# KiCad board LizardBot1_ControlBoard_v1.kicad_pcb (continued)
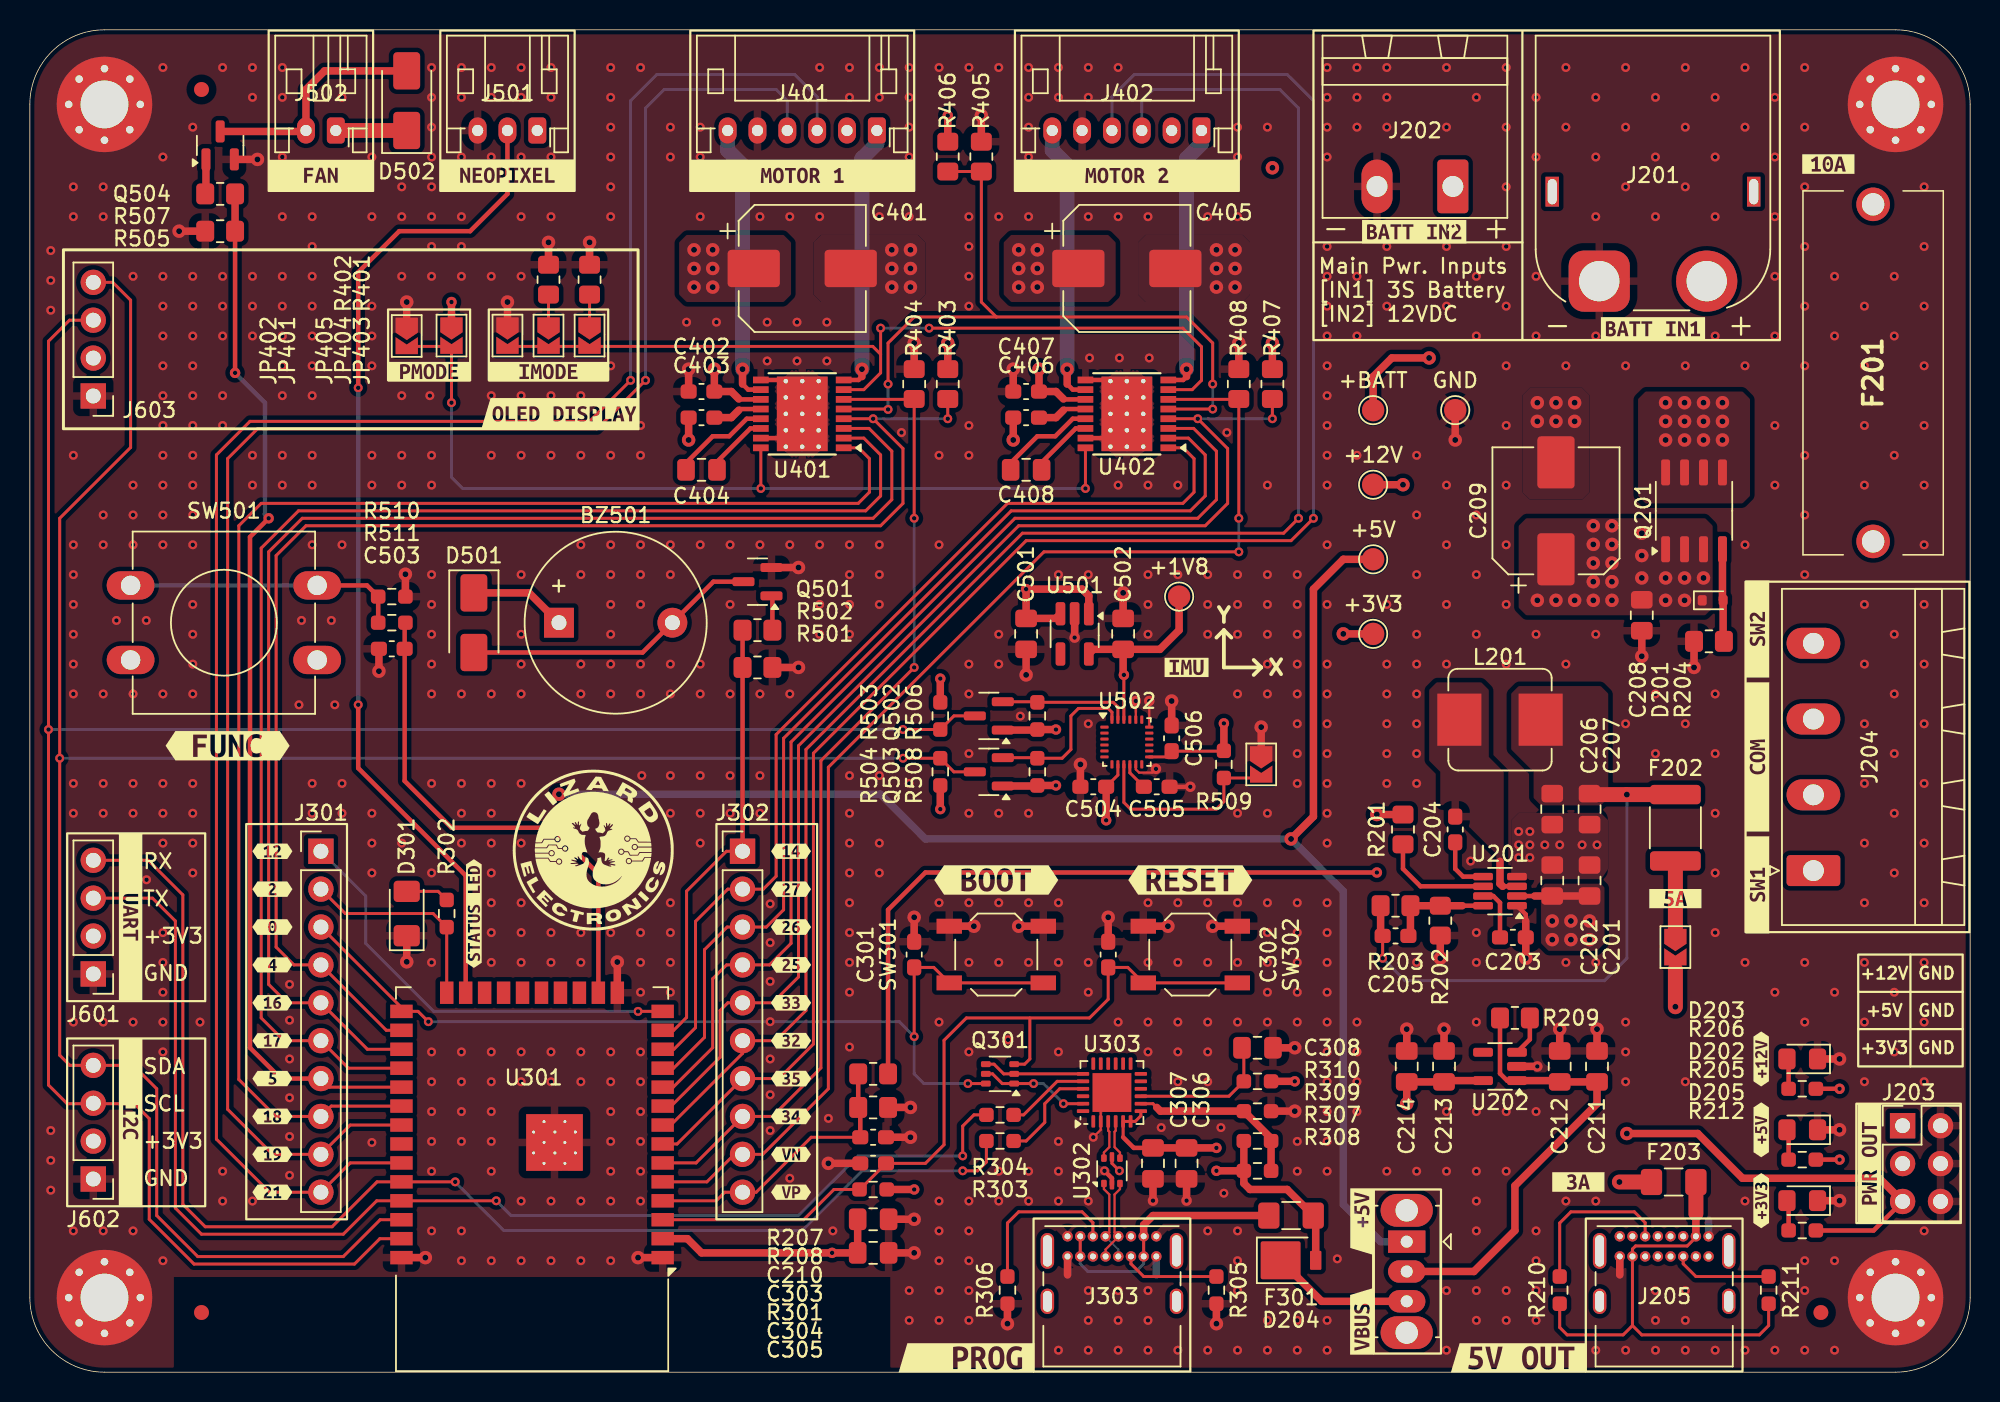
[diagram p0: board, top side]
## Library data of the parts (continued)
U501 = -: Datasheet: https://pt.mouser.com/datasheet/2/268/MIC5225_Ultra_Low_Quiescent_Current_150mA_MicroCap-3441824.pdf; Description: Ultra-Low Quiescent Current 150 mA µCap Low Dropout Regulator
U502 = -: Datasheet: http://www.invensense.com/wp-content/uploads/2016/06/DS-000189-ICM-20948-v1.3.pdf; Description: InvenSense 9-Axis Motion Sensor, Accelerometer, Gyroscope, Compass, I2C/SPI, QFN-24; ki_fp_filters: InvenSense?QFN*3x3mm*P0.4mm*

## Footprints (pads in the part's own frame, mm; a bottom-side part is the same pattern mirrored in y, then rotated)
AMASS_XT60PW-M_1x02_P7.20mm_Horizontal
  rect 0.9x2 hole 0.6x1.7: (-3.15,6) (10.35,6)
  rrect 4.1x4.1 hole 2.7: 1(0,0)
  round 4.1 hole 2.7: 2(7.2,0)
Buzzer_12x9.5RM7.6
  rect 2x2 hole 1: 1(0,0)
  round 2 hole 1: 2(7.6,0)
C_0603_1608Metric_Pad1.08x0.95mm_HandSolder
  rrect 1.075x0.95 smd: 1(-0.863,0) 2(0.863,0)
C_0805_2012Metric_Pad1.18x1.45mm_HandSolder
  rrect 1.175x1.45 smd: 1(-1.038,0) 2(1.038,0)
CP_Elec_8x10
  rrect 3.5x2.5 smd: 1(-3.25,0) 2(3.25,0)
D_SMA
  rrect 2.5x1.8 smd: 1(-2,0) 2(2,0)
D_SMP_DO-220AA
  rrect 2.67x2.54 smd: 1(-0.699,0)
  rrect 0.762x1.27 smd: 2(1.653,0)
D_SOD-523
  rrect 0.6x0.7 smd: 1(-0.7,0) 2(0.7,0)
ESP32-WROOM-32D
  rect 1.5x0.9 smd: 1(-8.75,8.25) 2(-8.75,6.98) 3(-8.75,5.71) 4(-8.75,4.44) 5(-8.75,3.17) 6(-8.75,1.9) 7(-8.75,0.63) 8(-8.75,-0.64) 9(-8.75,-1.91) 10(-8.75,-3.18) 11(-8.75,-4.45) 12(-8.75,-5.72) 13(-8.75,-6.99) 14(-8.75,-8.26) 25(8.75,-8.26) 26(8.75,-6.99) 27(8.75,-5.72) 28(8.75,-4.45) 29(8.75,-3.18) 30(8.75,-1.91) 31(8.75,-0.64) 32(8.75,0.63) 33(8.75,1.9) 34(8.75,3.17) 35(8.75,4.44) 36(8.75,5.71) 37(8.75,6.98) 38(8.75,8.25)
  rect 0.9x1.5 smd: 15(-5.71,-9.51) 16(-4.44,-9.51) 17(-3.17,-9.51) 18(-1.9,-9.51) 19(-0.63,-9.51) 20(0.64,-9.51) 21(1.91,-9.51) 22(3.18,-9.51) 23(4.45,-9.51) 24(5.72,-9.51)
  rect 0.9x0.9 smd: 39(-2.9,1.93) 39(-2.9,0.53) 39(-2.9,-0.87) 39(-1.5,1.93) 39(-1.5,0.53) 39(-1.5,-0.87) 39(-0.1,1.93) 39(-0.1,0.53) 39(-0.1,-0.87)
  round 0.6 hole 0.2: 39(-2.9,1.23) 39(-2.9,-0.17) 39(-2.2,1.93) 39(-2.2,0.53) 39(-2.2,-0.87) 39(-1.525,1.23) 39(-1.525,-0.17) 39(-0.8,1.93) 39(-0.8,0.53) 39(-0.8,-0.87) 39(-0.1,1.23) 39(-0.1,-0.17)
  rect 3.8x3.8 smd: 39(-1.5,0.53)
Fiducial_1mm_Mask2mm
  round 1 smd: (0,0)
Fuse_1206_3216Metric_Pad1.42x1.75mm_HandSolder
  rrect 1.425x1.75 smd: 1(-1.488,0) 2(1.488,0)
Fuse_1812_4532Metric_Pad1.30x3.40mm_HandSolder
  rrect 1.3x3.4 smd: 1(-2.225,0) 2(2.225,0)
Fuseholder_LittelFuse_5x20mm_0PTF0078P
  round 2.25 hole 1.5: 1(-11.3,0) 2(11.3,0)
HTSSOP-16-1EP_4.4x5mm_P0.65mm_EP3.4x5mm_Mask3x3mm_ThermalVias
  rect 0.25x0.8 smd: (-1.325,0.55) (-1.325,-0.55) (1.325,0.55) (1.325,-0.55)
  rect 0.8x0.25 smd: (-0.55,1.325) (-0.55,-1.325) (0.55,1.325) (0.55,-1.325)
  rect 0.85x0.8 smd: (-0.55,0.55)
  rect 0.85x0.85 smd: (-0.55,-0.55) (0.55,0.55) (0.55,-0.55)
  rect 3x3 smd: (0,0)
  rect 1.05x0.45 smd: 1(-2.775,2.275) 2(-2.775,1.625) 3(-2.775,0.975) 4(-2.775,0.325) 5(-2.775,-0.325) 6(-2.775,-0.975) 7(-2.775,-1.625) 8(-2.775,-2.275) 9(2.775,-2.275) 10(2.775,-1.625) 11(2.775,-0.975) 12(2.775,-0.325) 13(2.775,0.325) 14(2.775,0.975) 15(2.775,1.625) 16(2.775,2.275)
  round 0.6 hole 0.3: 17(-1.1,2.2) 17(-1.1,1.1) 17(-1.1,0) 17(-1.1,-1.1) 17(-1.1,-2.2) 17(0,2.2) 17(0,1.1) 17(0,0) 17(0,-1.1) 17(0,-2.2) 17(1.1,2.2) 17(1.1,1.1) 17(1.1,0) 17(1.1,-1.1) 17(1.1,-2.2)
  rect 3.4x5 smd: 17(0,0)
  rect 3.4x5 smd far side: 17(0,0)
InvenSense_QFN-24_3x3mm_P0.4mm
  rrect 0.55x0.2 smd: 1(-1.5,1) 2(-1.5,0.6) 3(-1.5,0.2) 4(-1.5,-0.2) 5(-1.5,-0.6) 6(-1.5,-1) 13(1.5,-1) 14(1.5,-0.6) 15(1.5,-0.2) 16(1.5,0.2) 17(1.5,0.6) 18(1.5,1)
  rrect 0.2x0.55 smd: 7(-1,-1.5) 8(-0.6,-1.5) 9(-0.2,-1.5) 10(0.2,-1.5) 11(0.6,-1.5) 12(1,-1.5) 19(1,1.5) 20(0.6,1.5) 21(0.2,1.5) 22(-0.2,1.5) 23(-0.6,1.5) 24(-1,1.5)
JST_PH_S2B-PH-K_1x02_P2.00mm_Horizontal
  rrect 1.2x1.75 hole 0.75: 1(0,0)
  oval 1.2x1.75 hole 0.75: 2(2,0)
JST_PH_S3B-PH-K_1x03_P2.00mm_Horizontal
  rrect 1.2x1.75 hole 0.75: 1(0,0)
  oval 1.2x1.75 hole 0.75: 2(2,0) 3(4,0)
JST_PH_S6B-PH-K_1x06_P2.00mm_Horizontal
  rrect 1.2x1.75 hole 0.75: 1(0,0)
  oval 1.2x1.75 hole 0.75: 2(2,0) 3(4,0) 4(6,0) 5(8,0) 6(10,0)
L_Bourns_SRP7028A_7.3x6.6mm
  rect 2.95x3.5 smd: 1(-2.725,0) 2(2.725,0)
LED_0805_2012Metric_Pad1.15x1.40mm_HandSolder
  rrect 1.15x1.4 smd: 1(-1.025,0) 2(1.025,0)
LED_1206_3216Metric_Pad1.42x1.75mm_HandSolder
  rrect 1.425x1.75 smd: 1(-1.488,0) 2(1.488,0)
MountingHole_3.2mm_M3_Pad_Via
  round 0.8 hole 0.5: 1(-2.4,0) 1(-1.697,1.697) 1(-1.697,-1.697) 1(0,2.4) 1(0,-2.4) 1(1.697,1.697) 1(1.697,-1.697) 1(2.4,0)
  round 6.4 hole 3.2: 1(0,0)
PhoenixContact_MSTBA_2,5_2-G-5,08_1x02_P5.08mm_Horizontal
  rrect 2.08x3.6 hole 1.4: 1(0,0)
  oval 2.08x3.6 hole 1.4: 2(5.08,0)
PhoenixContact_MSTBA_2,5_4-G-5,08_1x04_P5.08mm_Horizontal
  rrect 2.08x3.6 hole 1.4: 1(0,0)
  oval 2.08x3.6 hole 1.4: 2(5.08,0) 3(10.16,0) 4(15.24,0)
PinHeader_1x04_P2.54mm_Vertical
  rect 1.7x1.7 hole 1: 1(0,0)
  oval 1.7x1.7 hole 1: 2(0,-2.54) 3(0,-5.08) 4(0,-7.62)
PinHeader_1x10_P2.54mm_Vertical
  rect 1.7x1.7 hole 1: 1(0,0)
  oval 1.7x1.7 hole 1: 2(0,-2.54) 3(0,-5.08) 4(0,-7.62) 5(0,-10.16) 6(0,-12.7) 7(0,-15.24) 8(0,-17.78) 9(0,-20.32) 10(0,-22.86)
PinHeader_2x03_P2.54mm_Vertical
  rect 1.7x1.7 hole 1: 1(0,0)
  oval 1.7x1.7 hole 1: 2(2.54,0) 3(0,-2.54) 4(2.54,-2.54) 5(0,-5.08) 6(2.54,-5.08)
QFN-24-1EP_4x4mm_P0.5mm_EP2.6x2.6mm
  rrect 1.05x1.05 smd: (-0.65,0.65) (-0.65,-0.65) (0.65,0.65) (0.65,-0.65)
  rrect 0.825x0.25 smd: 1(-1.938,1.25) 2(-1.938,0.75) 3(-1.938,0.25) 4(-1.938,-0.25) 5(-1.938,-0.75) 6(-1.938,-1.25) 13(1.938,-1.25) 14(1.938,-0.75) 15(1.938,-0.25) 16(1.938,0.25) 17(1.938,0.75) 18(1.938,1.25)
  rrect 0.25x0.825 smd: 7(-1.25,-1.938) 8(-0.75,-1.938) 9(-0.25,-1.938) 10(0.25,-1.938) 11(0.75,-1.938) 12(1.25,-1.938) 19(1.25,1.938) 20(0.75,1.938) 21(0.25,1.938) 22(-0.25,1.938) 23(-0.75,1.938) 24(-1.25,1.938)
  rect 2.6x2.6 smd: 25(0,0)
R_0603_1608Metric_Pad0.98x0.95mm_HandSolder
  rrect 0.975x0.95 smd: 1(-0.912,0) 2(0.912,0)
R_0805_2012Metric_Pad1.20x1.40mm_HandSolder
  rrect 1.2x1.4 smd: 1(-1,0) 2(1,0)
SO-8_3.9x4.9mm_P1.27mm
  rrect 1.75x0.6 smd: 1(-2.575,1.905) 2(-2.575,0.635) 3(-2.575,-0.635) 4(-2.575,-1.905) 5(2.575,-1.905) 6(2.575,-0.635) 7(2.575,0.635) 8(2.575,1.905)
SolderJumper-2_P1.3mm_Open_TrianglePad1.0x1.5mm
  custom 1.5x1.5 smd: 1(-0.725,0)
  custom 1.15x1.5 smd: 2(0.725,0)
SOT-23
  rrect 1.475x0.6 smd: 1(-0.938,0.95) 2(-0.938,-0.95) 3(0.938,0)
SOT-23-5
  rrect 1.325x0.6 smd: 1(-1.137,0.95) 2(-1.137,0) 3(-1.137,-0.95) 4(1.137,-0.95) 5(1.137,0.95)
SOT-23-5_HandSoldering
  rrect 1.56x0.65 smd: 1(-1.35,0.95) 2(-1.35,0) 3(-1.35,-0.95) 4(1.35,-0.95) 5(1.35,0.95)
SOT-23-8
  rrect 1.325x0.5 smd: 1(-1.137,0.975) 2(-1.137,0.325) 3(-1.137,-0.325) 4(-1.137,-0.975) 5(1.137,-0.975) 6(1.137,-0.325) 7(1.137,0.325) 8(1.137,0.975)
SOT-363_SC-70-6
  rrect 0.65x0.4 smd: 1(-0.95,0.65) 2(-0.95,0) 3(-0.95,-0.65) 4(0.95,-0.65) 5(0.95,0) 6(0.95,0.65)
SOT-666
  rrect 0.5x0.375 smd: 1(-0.85,0.537) 3(-0.85,-0.537) 4(0.85,-0.537) 6(0.85,0.537)
  rrect 0.65x0.3 smd: 2(-0.925,0) 5(0.925,0)
SW_PUSH-12mm
  oval 3.2x1.9 hole 1.3: 1(0,0) 1(12.5,0) 2(0,-5) 2(12.5,-5)
SW_Slide_SPDT_Straight_CK_OS102011MS2Q
  oval 2.2x3.5 hole 1.5: (-2.1,0) (6.1,0)
  rect 1.5x2.5 hole 0.8: 1(0,0)
  oval 1.5x2.5 hole 0.8: 2(2,0) 3(4,0)
SW_SPST_TL3342
  rect 1.7x1 smd: 1(-3.15,1.9) 1(3.15,1.9) 2(-3.15,-1.9) 2(3.15,-1.9)
TestPoint_Pad_D1.5mm
  round 1.5 smd: 1(0,0)
USB_C_Receptacle_GCT_USB4085
  round 0.7 hole 0.4: A1(0,0) A4(0.85,0) A5(1.7,0) A6(2.55,0) A7(3.4,0) A8(4.25,0) A9(5.1,0) A12(5.95,0) B1(5.95,-1.35) B4(5.1,-1.35) B5(4.25,-1.35) B6(3.4,-1.35) B7(2.55,-1.35) B8(1.7,-1.35) B9(0.85,-1.35) B12(0,-1.35)
  oval 0.9x2.4 hole 0.6x2.1: S1(-1.35,-0.98) S1(7.3,-0.98)
  oval 0.9x1.7 hole 0.6x1.4: S1(-1.35,-4.36) S1(7.3,-4.36)

## Nets
+1V8: C502.1 C504.1 C506.1 Q502.1 Q503.1 R506.1 R508.1 R509.1 TP105.1 U501.5 U502.8 U502.13 U502.22
+3V3: C213.1 C214.1 C304.1 C305.1 C306.1 C307.1 C501.1 J203.5 J401.2 J402.2 J601.2 J602.2 J603.2 JP401.1 R212.1 R301.1 R310.1 R403.1 R405.1 R407.1 R503.1 R504.1 SW501.1 TP104.1 U202.5 U301.2 U303.5 U303.6 U303.7 U501.1 U501.3
+5V: BZ501.1 D501.1 D502.1 F203.2 J203.3 J501.1 J502.1 JP201.2 R205.1 SW201.1 TP103.1
+12V: C201.1 C202.1 C208.1 C209.1 C401.1 C402.1 C403.1 C405.1 C406.1 C407.1 D201.1 J203.1 Q201.1 Q201.2 Q201.3 R201.1 R206.1 R207.1 TP102.1 U201.2 U401.11 U402.11
GND: C201.2 C202.2 C203.2 C206.2 C207.2 C208.2 C209.2 C210.2 C211.2 C212.2 C213.2 C214.2 C301.1 C302.1 C303.1 C304.2 C305.2 C306.2 C307.2 C308.2 C401.2 C402.2 C405.2 C406.2 C501.2 C502.2 C503.2 C504.2 C505.2 C506.2 D202.1 D203.1 D205.1 D301.1 H101.1 H102.1 H103.1 H104.1 J201.1 J202.2 J203.2 J203.4 J203.6 J205.A12 J205.B12 J303.A1 J303.A12 J303.B1 J303.B12 J401.5 J402.5 J501.3 J601.1 J602.1 J603.1 JP402.1 JP405.1 JP501.1 Q501.2 Q504.2 R202.2 R204.2 R208.2 R305.2 R306.2 R309.2 R401.2 R402.2 R404.2 R406.2 R408.2 R501.2 R505.2 R510.2 SW301.1 SW302.1 TP106.1 U201.1 U201.4 U202.2 U301.1 U301.15 U301.38 U301.39 U302.2 U303.2 U303.25 U401.9 U401.15 U401.17 U402.9 U402.15 U402.17 U501.2 U502.11 U502.18 U502.20
VBUS: D204.2 F301.2 R307.1 R308.1 U302.5
+BATT: F201.1 J201.2 J202.1 TP101.1
/Communication_Interfaces/MCU_RXD0: J601.4 R303.1 U301.34
/Communication_Interfaces/MCU_SCL: J602.3 J603.3 Q502.3 R503.2 U301.37
/Communication_Interfaces/MCU_SDA: J602.4 J603.4 Q503.3 R504.2 U301.36
/Communication_Interfaces/MCU_TXD0: J601.3 R304.1 U301.35
/MCU/CP_DTR: Q301.1 Q301.5 U303.23
/MCU/CP_RST: C308.1 R310.2 U303.9
/MCU/CP_RTS: Q301.2 Q301.4 U303.19
/MCU/CP_RXD: R304.2 U303.20
/MCU/CP_TXD: R303.2 U303.21
/MCU/CP_USBC_DN: U302.4 U303.4
/MCU/CP_USBC_DP: U302.6 U303.3
/MCU/CP_VBUS: R307.2 R308.2 R309.1 U303.8
/MCU/DRV1_EN_IN1: J301.8 U301.30 U401.1
/MCU/DRV1_IPROPI: J302.8 R404.1 U301.6 U401.6
/MCU/DRV1_nFAULT: J301.4 R403.2 U301.26 U401.4
/MCU/DRV1_nSLEEP: J301.5 U301.27 U401.3
/MCU/DRV1_PH_IN2: J301.6 U301.28 U401.2
/MCU/DRV2_EN_IN1: J302.2 U301.12 U402.1
/MCU/DRV2_IPROPI: J302.9 R408.1 U301.5 U402.6
/MCU/DRV2_nFAULT: J302.5 R407.2 U301.9 U402.4
/MCU/DRV2_nSLEEP: J302.4 U301.10 U402.3
/MCU/DRV2_PH_IN2: J302.3 U301.11 U402.2
/MCU/ENC1_A: J301.9 J401.4 U301.31
/MCU/ENC1_B: J301.10 J401.3 U301.33
/MCU/ENC2_A: J302.7 J402.4 U301.7
/MCU/ENC2_B: J302.6 J402.3 U301.8
/MCU/MCU_BAT_STATUS: C210.1 J302.10 R207.2 R208.1 U301.4
/MCU/MCU_BUTTON: C503.1 R511.2 U301.16
/MCU/MCU_BUZZER: J302.1 R501.1 R502.1 U301.13
/MCU/MCU_EN: C302.2 C303.2 Q301.3 R301.2 SW302.2 U301.3
/MCU/MCU_FAN_PWM: J301.7 R505.1 R507.1 U301.29
/MCU/MCU_IO0: C301.2 J301.3 Q301.6 SW301.2 U301.25
/MCU/MCU_IO2_LED: J301.2 R302.1 U301.24
/MCU/MCU_IO12_RES: J301.1 U301.14
/MCU/MCU_NEOPIXEL: J501.2 U301.23
/MCU/USBC_CC1: J303.A5 R306.1
/MCU/USBC_CC2: J303.B5 R305.1
/MCU/USBC_DN: J303.A7 J303.B7 U302.3
/MCU/USBC_DP: J303.A6 J303.B6 U302.1
/MCU/USBC_VBUS: F301.1 J303.A4 J303.A9 J303.B4 J303.B9
/Motor_Driver/DRV1_CPH: C404.2 U401.13
/Motor_Driver/DRV1_CPL: C404.1 U401.14
/Motor_Driver/DRV1_OUT1: J401.1 U401.8
/Motor_Driver/DRV1_OUT2: J401.6 U401.10
/Motor_Driver/DRV1_VCP: C403.2 U401.12
/Motor_Driver/DRV2_CPH: C408.2 U402.13
/Motor_Driver/DRV2_CPL: C408.1 U402.14
/Motor_Driver/DRV2_OUT1: J402.1 U402.8
/Motor_Driver/DRV2_OUT2: J402.6 U402.10
/Motor_Driver/DRV2_VCP: C407.2 U402.12
/Motor_Driver/DRV_IMODE: JP403.2 JP404.2 JP405.2 U401.7 U402.7
/Motor_Driver/DRV_PMODE: JP401.2 JP402.2 U401.16 U402.16
/Motor_Driver/DRV_VREF: R405.2 R406.1 U401.5 U402.5
/Peripherals/BUZZER_GND: BZ501.2 D501.2 Q501.3
/Peripherals/FAN_GND: D502.2 J502.2 Q504.3
/Peripherals/IMU_ADR: JP501.2 R509.2 U502.9
/Peripherals/IMU_SCL: Q502.2 R506.2 U502.23
/Peripherals/IMU_SDA: Q503.2 R508.2 U502.24
/Power_Supply/BUCK_5V: C205.2 C206.1 C207.1 F202.1 L201.2 R203.2
/Power_Supply/BUCK_BST: C204.1 U201.5
/Power_Supply/BUCK_EN: R201.2 U201.6
/Power_Supply/BUCK_FB: C205.1 R202.1 R203.1 U201.8
/Power_Supply/BUCK_SW: C204.2 L201.1 U201.3
/Power_Supply/BUCK_VCC: C203.1 U201.7
/Power_Supply/E_SWITCH: J204.4 Q201.5 Q201.6 Q201.7 Q201.8
/Power_Supply/LDO_EN: R209.1 U202.3
/Power_Supply/LDO_VIN: C211.1 C212.1 R209.2 SW201.2 U202.1
/Power_Supply/M_SWITCH: F201.2 J204.1
Net-(D201-A): D201.2 Q201.4 R204.1
Net-(D202-A): D202.2 R205.2
Net-(D203-A): D203.2 R206.2
Net-(D204-K): D204.1 SW201.3
Net-(D205-A): D205.2 R212.2
Net-(D301-A): D301.2 R302.2
Net-(F203-Pad1): F203.1 J205.A9 J205.B9 R210.1 R211.1
Net-(J204-Pin_2): J204.2 J204.3
Net-(J205-CC1): J205.A5 R210.2
Net-(J205-CC2): J205.B5 R211.2
Net-(JP201-A): F202.2 JP201.1
Net-(JP403-A): JP403.1 R401.1
Net-(JP404-A): JP404.1 R402.1
Net-(Q501-G): Q501.1 R502.2
Net-(Q504-G): Q504.1 R507.2
Net-(R510-Pad1): R510.1 R511.1 SW501.2
Net-(U502-REGOUT): C505.1 U502.10

Pads without a net: J205 A1 A4 A6 A7 A8 B1 B4 B6 B7 B8 S1; J303 A8 B8 S1; U202 4; U301 17 18 19 20 21 22 32; U303 1 10 11 12 13 14 15 16 17 18 22 24; U501 4; U502 1 2 3 4 5 6 7 12 14 15 16 17 19 21

## Via types
v1: diameter 0.9, hole 0.4, Top to Bottom, 142 vias
v2: diameter 0.7, hole 0.3, Top to Bottom, 28 vias
v3: diameter 0.6, hole 0.3, Top to Bottom, 848 vias

## Routing (per net, layer and track width the routed paths; a pad name or vN(x,y) marks a point on that pad's centre or on a via; arc(x,y) is an arc through that point)
+1V8: length 64.2
  Top w0.2: U502.22 v2(73.3,46.75) ; U502.13 76.11,41.25 C506.1 79.97,41.64 R509.1 ; U502.8 72.9,40.04 C504.1
  Top w0.5: U501.5 71.26,48.46 C502.1 ; TP105.1 77,49.75 75.71,48.46 C502.1 ; C502.1 72.94,48.15 ; C502.1 73.25,46.8 v2(73.3,46.75) ; v2(68.75,39.34) R508.1 67.46,39.3 Q503.1 ; v2(72.11,37) C504.1 ; v2(80,43.5) R509.1 ; Q502.1 67.46,43.05 R506.1 v2(68.75,43.09)
  In2.Cu w0.5: v2(73.3,46.75) 78.75,46.75 80,45.5 v2(80,43.5) 79.25,43.5 78.75,43 78.75,38.12 77.62,37 v2(72.11,37) 69.25,37 68.75,37.5 v2(68.75,39.34) v2(68.75,43.09)
+3V3: length 110.7
  Top w0.2: 73.25,15.75 U303.5 U303.6 74.06,16.81 74.44,17.19 U303.7
  Top w0.3: R212.1 123.53,9.5 J203.5 ; 73.25,15.75 73.96,15.04 C307.1
  Top w0.5: U501.1 70.95,52.05 70.5,52.5 v2(66.75,52.5) C501.1 68.74,50.54 U501.3 ; v2(53.75,8) C305.1 C304.1 ; C307.1 C306.1 v2(79.5,15.04) ; 53.46,8 45,8 44.05,8.95 U301.2 ; v1(92.25,18) C214.1 C213.1 94.84,19.55 U202.5 ; R503.1 v2(61,46.5) ; R504.1 v2(61,37.75) ; v1(107,16) 111.75,16 114.75,13 123.92,13 J203.5 ; v2(28.25,71.75) JP401.1 ; R403.1 v1(61.5,69) ; R405.1 v2(61.5,84.25) ; R310.1 v2(84.75,19.5) ; R407.1 v1(83.25,69) ; TP104.1 v1(88,49.5) ; R301.1 v2(59.25,12.25)
  In2.Cu w0.5: 61.25,69 61.25,84 v2(61.5,84.25) ; v1(83.25,69) v1(83.25,80.75)
+5V: length 177.9
  Top w0.3: R205.1 v2(121.25,14.25)
  Top w0.5: TP103.1 88,54.5 86,52.5 86,37.25 v1(84.5,35.75) ; D501.1 33.45,52.25 BZ501.1
  Top w1: 108.51,12.75 v1(106.5,12.75) ; v1(110.25,24.5) 110.25,27 ; J502.1 D502.1
  In2.Cu w0.5: 35.5,38.75 35.45,38.8 BZ501.1 35.45,54.95 34.15,56.25 23.75,56.25 20.5,59.5 J502.1
  Bottom w0.5: v1(35.45,38.75) 57,38.75 60,35.75 v1(84.5,35.75) 88,32.25 88,11.25 90.5,8.75 SW201.1
+12V: length 67.5
  Top w0.3: v2(90.25,33.5) 60,33.5 57.5,31 R207.1 ; U402.11 69.28,65.22 69.25,65.25 ; U401.11 47.53,65.22 47.5,65.25 ; R206.1 v2(121.25,19) ; U201.2 100.68,31.92
  Top w0.5: TP102.1 v1(92,59.5) ; v1(65.89,62.5) C407.1 ; 104.5,31.92 100.82,31.92 ; v1(67.61,67.25) C406.1 68.75,65.75 69.25,65.25 ; R201.1 v1(90.25,37.39) ; v1(45.86,67.25) C402.1 47,65.75 47.5,65.25 ; v1(44.14,62.5) C403.1
  vias: v1(44.5,75.25) v1(44.5,74) v1(44.5,72.75) v1(45.75,75.25) v1(45.75,74) v1(45.75,72.75) v1(66.25,75.25) v1(66.25,74) v1(66.25,72.75) v1(67.5,75.25) v1(67.5,74) v1(67.5,72.75) v1(101,51.75) v1(102,30.25) v1(102,29) v1(102.25,51.75) v1(103.25,30.25) v1(103.25,29) v1(103.5,51.75) v1(104.5,30.25) v1(104.5,29) v1(104.75,56.75) v1(104.75,55.5) v1(104.75,54.25) v1(104.75,53) v1(104.75,51.75) v1(106,56.75) v1(106,55.5) v1(106,54.25) v1(106,53) v1(106,51.75) v1(108,56.25) v1(108,54.75) v1(108,53.25) v1(109.59,53.25) v1(109.59,51.75) v1(110.87,53.25) v1(110.87,51.75) v1(112.13,53.25)
GND: length 120.9
  Top w0.15: U303.25 71.75,18 U303.2 71.75,16.25 v3(71.25,15.75) ; U502.18 v2(75,45) ; U502.20 v2(74.1,45) ; U502.11 74.1,40.41 74.31,40.2 75.2,40.2 v2(75.45,40.45)
  Top w0.3: U402.15 71.88,62.62 U402.17 ; 100.22,30.25 100.22,30.69 U201.1 ; U401.17 50.57,66.53 U401.9 ; U401.17 50.12,62.62 U401.15 ; v3(72,13.5) 72.5,13 U302.2 ; U402.9 72.32,66.53 U402.17 ; C505.2 v2(77.75,39.25)
  Top w0.5: C212.2 v1(102.5,23) ; R408.2 v1(81,69) ; R401.2 v1(37.5,75.75) ; R306.2 v1(65.5,3.25) ; C211.2 v1(105,23) ; Q504.2 v1(15.25,81.31) ; D205.1 v1(121.25,11.5) ; C208.2 v1(108,48) ; v1(25.16,53.5) R510.2 ; J303.B12 69.53,6.53 ; R202.2 v1(94.5,27.75) ; C503.2 v1(23.39,47) ; SW302.1 v1(79.25,29.9) ; R305.2 v1(79.5,3.25) ; 100.22,30.25 v1(100.22,27.75) ; C305.2 v1(59.25,8) ; R309.2 v1(84.75,17.5) ; C304.2 v1(59.25,10.25) ; C502.2 v1(73.25,52.25) ; v1(44.14,67.25) C402.2 ; C306.2 v2(77.5,11.5) ; JP405.1 v1(32,71.75) ; C303.1 v1(53.5,14) ; R406.2 v1(63.75,84.25) ; v1(25.25,27.51) D301.1 ; C307.2 v2(75.25,11.5) ; SW301.1 v1(63.25,29.9) ; C213.2 v1(94.75,23) ; R204.2 v1(111.5,47.25) ; R402.2 v1(34.75,75.75) ; C302.1 v1(72.25,30.5) ; v1(121.25,16.25) D202.1 ; TP106.1 v1(95.5,62.5) ; R208.2 v1(59,17.75) ; Q501.2 v1(51.5,53.95) ; U301.1 v1(40.75,7.68) ; U301.38 v1(26.5,7.68) ; U202.2 v2(101,20.5) ; C506.2 v1(76.5,45) ; SW301.1 v1(66.25,29.9) ; C406.2 v1(65.89,67.25) ; C501.2 v1(66.75,46.75) ; R505.2 v1(10,76.5) ; D203.1 v1(121.25,21) ; JP501.1 v1(82.5,43.25) ; J205.B12 106.53,6.53 ; SW302.1 v1(76.25,29.9) ; C301.1 v1(59.25,30.5) ; C210.2 v1(59,15.75) ; v1(25.25,71.75) JP402.1 ; v1(70.39,40.75) C504.2 ; U301.15 v1(39.36,27.5) ; C308.2 v1(84.75,21.75) ; C214.2 v1(92.25,23) ; R501.2 v1(51.5,47.25) ; U501.2 v2(70,49.25) ; R404.2 v1(59.25,69)
  In1.Cu w0.15: 71.75,16.5 71.75,16.25 v3(71.25,15.75)
  In1.Cu w0.5: J303.B12 69.53,6.53 ; J205.B12 106.53,6.5 ; J303.B1 75.47,6.53
  Bottom w0.5: 112.47,10.2 J205.A12 ; J303.B1 75.47,6.53 ; J205.B12 106.53,6.53 ; J303.B12 69.53,6.53
  vias: v1(57.75,75.25) v1(57.75,74) v1(57.75,72.75) v1(59,75.25) v1(59,74) v1(59,72.75) v1(79.5,75.25) v1(79.5,74) v1(79.5,72.75) v1(80.75,75.25) v1(80.75,74) v1(80.75,72.75) v1(101,65) v1(101,63.75) v1(102.25,65) v1(102.25,63.75) v1(103.5,65) v1(103.5,63.75) v3(1.4,75.2) v3(1.4,73.2) v3(1.4,71.2) v3(1.4,16.2) v3(1.4,14.2) v3(1.4,12.2) v3(2.92,79.47) v3(2.92,77.47) v3(2.92,61.47) v3(2.92,55.47) v3(2.92,53.47) v3(2.92,51.47) v3(2.92,49.47) v3(2.92,47.47) v3(2.92,45.47) v3(2.92,39.47) v3(2.92,37.47) v3(2.92,23.47) v3(2.92,9.47) v3(4.92,79.47) v3(4.92,77.47) v3(4.92,57.47) v3(4.92,55.47) v3(4.92,45.47) v3(4.92,39.47) v3(4.92,37.47) v3(4.92,23.47) v3(4.92,9.47) v3(5.8,50.4) v3(6.92,73.47) v3(6.92,59.47) v3(6.92,57.47) v3(6.92,55.47) v3(6.92,45.47) v3(6.92,39.47) v3(6.92,37.47) v3(6.92,23.47) v3(6.92,9.47) v3(7.8,50.4) v3(7.82,33.02) v3(8.92,87.47) v3(8.92,81.47) v3(8.92,73.47) v3(8.92,71.47) v3(8.92,69.47) v3(8.92,67.47) v3(8.92,65.47) v3(8.92,63.47) v3(8.92,61.47) v3(8.92,59.47) v3(8.92,57.47) v3(8.92,55.47) v3(8.92,45.47) v3(8.92,39.47) v3(8.92,37.47) v3(8.92,35.47) v3(8.92,29.47) v3(8.92,27.47) v3(8.92,25.47) v3(8.92,23.47) v3(8.92,21.47) v3(8.92,7.47) v3(10.92,83.47) v3(10.92,73.47) v3(10.92,71.47) v3(10.92,69.47) v3(10.92,67.47) v3(10.92,65.47) v3(10.92,63.47) v3(10.92,61.47) v3(10.92,59.47) v3(10.92,57.47) v3(10.92,55.47) v3(10.92,51.47) v3(10.92,49.47) v3(10.92,47.47) v3(10.92,45.47) v3(10.92,39.47) v3(10.92,37.47) v3(10.92,35.47) v3(10.92,33.47) v3(11.4,23.47) v3(12.92,87.47) v3(12.92,73.47) v3(12.92,71.47) v3(12.92,69.47) v3(12.92,65.47) v3(12.92,63.47) v3(12.92,13.47) v3(12.92,11.47) v3(14.92,87.47) v3(14.92,85.47) v3(14.92,73.47) v3(14.92,71.47) v3(14.92,69.47) v3(14.92,61.47) v3(14.92,59.47) v3(14.92,11.47) v3(16.92,87.47) v3(16.92,85.47) v3(16.92,81.47) v3(16.92,77.47) v3(16.92,73.47) v3(16.92,71.47) v3(16.92,69.47) v3(16.92,67.47) v3(16.92,65.47) v3(16.92,61.47) v3(16.92,59.47) v3(17.4,26) v3(17.4,23.6) v3(17.4,21) v3(17.4,18.4) v3(17.4,15.8) v3(17.4,13.2) v3(18.03,44.75) v3(18.2,50.4) v3(18.92,77.47) v3(18.92,75.47) v3(18.92,73.47) v3(18.92,71.47) v3(18.92,69.47) v3(18.92,67.47) v3(18.92,65.47) v3(18.92,61.47) v3(18.92,59.47) v3(18.92,55.47) v3(18.92,39.47) v3(18.92,37.47) v3(20.2,50.4) v3(20.43,44.75) v3(20.92,85.47) v3(20.92,55.47) v3(20.92,39.47) v3(20.92,37.47) v3(22.92,81.47) v3(22.92,77.47) v3(22.92,71.47) v3(22.92,69.47) v3(22.92,67.47) v3(22.92,61.47) v3(22.92,59.47) v3(22.92,37.47) v3(22.92,35.47) v3(22.92,33.47) v3(22.92,15.4) v3(24.92,79.47) v3(24.92,77.47) v3(24.92,73.47) v3(24.92,65.47) v3(24.92,61.47) v3(24.92,59.47) v3(24.92,35.47) v3(26.8,65.47) v3(26.92,87.47) v3(26.92,85.47) v3(26.92,83.47) v3(26.92,81.47) v3(26.92,79.47) v3(26.92,77.47) v3(26.92,75.47) v3(26.92,73.47) v3(26.92,61.47) v3(26.92,59.47) v3(26.92,53.47) v3(26.92,51.47) v3(26.92,49.47) v3(26.92,47.47) v3(26.92,45.47) v3(26.92,39.47) v3(26.92,33.47) v3(26.92,27.47) v3(26.92,21.47) v3(26.92,19.47) v3(26.92,17.47) v3(26.92,15.47) v3(26.92,13.47) v3(26.92,9.47) v3(28.92,87.47) v3(28.92,85.47) v3(28.92,81.47) v3(28.92,77.47) v3(28.92,75.47) v3(28.92,73.47) v3(28.92,45.47) v3(28.92,39.47) v3(28.92,37.47) v3(28.92,35.47) v3(28.92,21.47) v3(28.92,19.47) v3(28.92,17.47) v3(28.92,15.47) v3(28.92,9.47) v3(28.92,7.47) v3(30.92,87.47) v3(30.92,85.47) v3(30.92,81.47) v3(30.92,73.47) v3(30.92,65.47) v3(30.92,61.47) v3(30.92,45.47) v3(30.92,39.47) v3(30.92,37.47) v3(30.92,35.47) v3(30.92,33.47) v3(30.92,31.47) v3(30.92,29.47) v3(30.92,27.47) v3(30.92,21.47) v3(30.92,19.47) v3(30.92,17.47) v3(30.92,15.47) v3(30.92,13.47) v3(30.92,7.47) v3(32.92,87.47) v3(32.92,85.47) v3(32.92,81.47) v3(32.92,77.47) v3(32.92,73.47) v3(32.92,65.47) v3(32.92,61.47) v3(32.92,53.47) v3(32.92,49.47) v3(32.92,47.47) v3(32.92,45.47) v3(32.92,39.47) v3(32.92,35.47) v3(32.92,31.47) v3(32.92,29.47) v3(32.92,27.47) v3(32.92,21.47) v3(32.92,19.47) v3(32.92,11.47) v3(32.92,7.47) v3(34.92,87.47) v3(34.92,85.47) v3(34.92,81.47) v3(34.92,77.47) v3(34.92,65.47) v3(34.92,61.47) v3(34.92,29.47) v3(34.92,27.47) v3(34.92,21.47) v3(34.92,19.47) v3(34.92,11.47) v3(34.92,7.47) v3(36.92,65.47) v3(36.92,61.47) v3(36.92,55.47) v3(36.92,53.47) v3(36.92,47.47) v3(36.92,45.47) v3(36.92,29.47) v3(36.92,27.47) v3(36.92,21.47) v3(36.92,19.47) v3(36.92,11.47) v3(36.92,7.47) v3(38.92,87.47) v3(38.92,85.47) v3(38.92,83.47) v3(38.92,81.47) v3(38.92,79.47) v3(38.92,77.47) v3(38.92,67.47) v3(38.92,61.47) v3(38.92,55.47) v3(38.92,53.47) v3(38.92,51.47) v3(38.92,49.47) v3(38.92,47.47) v3(38.92,45.47) v3(38.92,29.47) v3(38.92,21.47) v3(38.92,19.47) v3(38.92,17.47) v3(38.92,15.47) v3(38.92,13.47) v3(38.92,11.47) v3(38.92,7.47) v3(40.92,87.47) v3(40.92,63.47) v3(40.92,61.47) v3(40.92,55.47) v3(40.92,53.47) v3(40.92,51.47) v3(40.92,47.47) v3(40.92,45.47) v3(40.92,29.47) v3(40.92,27.47) v3(40.92,25.47) v3(40.92,21.47) v3(40.92,19.47) v3(40.92,17.47) v3(40.92,15.47) v3(40.92,13.47) v3(40.92,11.47) v3(41,40) v3(42.92,83.47) v3(42.92,81.47) v3(42.92,55.47) v3(42.92,53.47) v3(42.92,47.47) v3(42.92,45.47) v3(42.92,40) v3(42.92,37.47) v3(42.92,31.47) v3(42.92,29.47) v3(42.92,27.47) v3(42.92,25.47) v3(44,70.4) v3(44.92,83.47) v3(44.92,81.47) v3(44.92,77.47) v3(44.92,55.47) v3(44.92,47.47) v3(44.92,45.47) v3(44.92,40) v3(44.92,37.47) v3(44.92,35.47) v3(46,70.4) v3(46.92,55.47) v3(46.92,51.47) v3(46.92,45.47) v3(46.92,40) v3(46.92,37.47) v3(48.92,77.47) v3(48.92,55.47) v3(48.92,45.47) v3(48.92,40) v3(48.92,37.47) v3(49.4,70.4) v3(49.4,67.8) v3(49.6,31.4) v3(49.6,28.8) v3(49.6,26.2) v3(49.6,23.5) v3(49.6,21) v3(49.6,18.6) v3(49.6,16.2) v3(50.92,77.47) v3(50.92,55.47) v3(50.92,45.47) v3(50.92,13) v3(51.4,70.4) v3(51.4,67.8) v3(52.92,87.47) v3(52.92,77.47) v3(52.92,55.47) v3(52.92,51.47) v3(52.92,49.47) v3(53.4,70.4) v3(53.4,67.8) v3(53.5,17.01) v3(53.8,9.47) v3(54.92,87.47) v3(54.92,85.47) v3(54.92,55.47) v3(54.92,53.47) v3(54.92,51.47) v3(54.92,49.47) v3(54.92,40) v3(54.92,37.47) v3(54.92,35.47) v3(54.92,33.47) v3(54.92,31.47) v3(54.92,29.47) v3(54.92,27.47) v3(54.92,25.47) v3(54.92,21.8) v3(56.92,87.47) v3(56.92,85.47) v3(56.92,77.47) v3(56.92,55.47) v3(56.92,53.47) v3(56.92,51.47) v3(56.92,40) v3(56.92,35.47) v3(56.92,33.47) v3(58.4,63) v3(58.92,87.47) v3(58.92,85.47) v3(58.92,83.47) v3(58.92,81.47) v3(58.92,77.47) v3(58.92,39.47) v3(58.92,5.47) v3(58.92,3.47) v3(60.92,87.47) v3(60.92,61.47) v3(60.92,55.47) v3(60.92,31.47) v3(60.92,23.47) v3(60.92,11.47) v3(60.92,9.47) v3(60.92,7.47) v3(60.92,5.47) v3(60.92,3.47) v3(62.92,87.47) v3(62.92,77.47) v3(62.92,75.47) v3(62.92,73.47) v3(62.92,71.47) v3(62.92,63.47) v3(62.92,61.47) v3(62.92,47.47) v3(62.92,45.47) v3(62.92,41.47) v3(62.92,37.47) v3(62.92,31.47) v3(62.92,27.47) v3(62.92,21.47) v3(62.92,11.47) v3(62.92,9.47) v3(62.92,7.47) v3(62.92,5.47) v3(62.92,3.47) v3(64.92,87.47) v3(64.92,77.47) v3(64.92,49.47) v3(64.92,47.47) v3(64.92,37.47) v3(64.92,31.47) v3(64.92,27.47) v3(64.92,13.47) v3(64.92,11.47) v3(65.54,22.29) v3(66.36,43.99) v3(66.92,87.47) v3(66.92,85.47) v3(66.92,83.47) v3(66.92,81.47) v3(66.92,77.47) v3(66.92,37.47) v3(66.92,31.47) v3(66.92,27.47) v3(66.92,13.47) v3(66.92,11.47) v3(68.92,87.47) v3(68.92,85.47) v3(68.92,53.47) v3(68.92,31.47) v3(68.92,27.47) v3(68.92,21.47) v3(68.92,15.47) v3(68.92,13.47) v3(68.92,11.47) v3(68.92,1.47) v3(70.92,87.47) v3(70.92,85.47) v3(70.92,77.47) v3(70.92,53.47) v3(70.92,43.47) v3(70.92,27.47) v3(70.92,25.47) v3(70.92,11.47) v3(70.92,5.47) v3(70.92,3.47) v3(70.92,1.47) v3(71,68) v3(72.92,87.47) v3(72.92,77.47) v3(72.92,59.47) v3(72.92,23.47) v3(72.92,5.47) v3(72.92,3.47) v3(72.92,1.47) v3(73,68) v3(74.92,77.47) v3(74.92,59.47) v3(74.92,53.47) v3(74.92,51.47) v3(74.92,49.47) v3(74.92,31.47) v3(74.92,27.47) v3(74.92,23.47) v3(74.92,21.47) v3(74.92,5.47) v3(74.92,3.47) v3(74.92,1.47) v3(75,68) v3(75.8,16.4) v3(76.92,59.47) v3(76.92,53.47) v3(76.92,31.47) v3(76.92,27.47) v3(76.92,23.47) v3(76.92,21.47) v3(76.92,19.47) v3(76.92,1.47) v3(78.92,77.47) v3(78.92,53.47) v3(78.92,51.47) v3(78.92,49.47) v3(78.92,31.47) v3(78.92,27.47) v3(78.92,23.47) v3(78.92,21.47) v3(78.92,19.47) v3(78.92,9.47) v3(78.92,1.47) v3(79.8,16.4) v3(80,12) v3(80.2,63) v3(80.92,83.47) v3(80.92,81.47) v3(80.92,77.47) v3(80.92,53.47) v3(80.92,51.47) v3(80.92,49.47) v3(80.92,45.47) v3(80.92,37.47) v3(80.92,31.47) v3(80.92,27.47) v3(80.92,23.47) v3(80.92,9.47) v3(80.92,7.47) v3(80.92,5.47) v3(80.92,1.47) v3(82.92,83.47) v3(82.92,59.47) v3(82.92,53.47) v3(82.92,51.47) v3(82.92,49.47) v3(82.92,47.47) v3(82.92,45.47) v3(82.92,37.47) v3(82.92,31.47) v3(82.92,29.47) v3(82.92,27.47) v3(82.92,25.47) v3(82.92,23.47) v3(82.92,3.47) v3(82.92,1.47) v3(84.92,53.47) v3(84.92,51.47) v3(84.92,49.47) v3(84.92,47.47) v3(84.92,45.47) v3(84.92,43.47) v3(84.92,41.47) v3(84.92,39.47) v3(84.92,31.47) v3(84.92,29.47) v3(84.92,27.47) v3(84.92,25.47) v3(84.92,23.47) v3(84.92,15.47) v3(84.92,13.47) v3(84.92,3.47) v3(84.92,1.47) v3(86.92,87.47) v3(86.92,85.47) v3(86.92,83.47) v3(86.92,81.47) v3(86.92,75.47) v3(86.92,73.47) v3(86.92,71.47) v3(86.92,69.47) v3(86.92,67.47) v3(86.92,65.47) v3(86.92,63.47) v3(86.92,61.47) v3(86.92,59.47) v3(86.92,55.47) v3(86.92,51.47) v3(86.92,47.47) v3(86.92,45.47) v3(86.92,43.47) v3(86.92,41.47) v3(86.92,39.47) v3(86.92,37.47) v3(86.92,35.47) v3(86.92,31.47) v3(86.92,29.47) v3(86.92,27.47) v3(86.92,25.47) v3(86.92,23.47) v3(86.92,21.47) v3(86.92,19.47) v3(86.92,17.47) v3(86.92,15.47) v3(86.92,13.47) v3(86.92,3.47) v3(86.92,1.47) v3(87.6,7.6) v3(88.92,87.47) v3(88.92,85.47) v3(88.92,83.47) v3(88.92,73.47) v3(88.92,69.47) v3(88.92,61.47) v3(88.92,23.47) v3(88.92,21.47) v3(88.92,19.47) v3(88.92,17.47) v3(90.92,87.47) v3(90.92,85.47) v3(90.92,83.47) v3(90.92,75.47) v3(90.92,71.47) v3(90.92,51.47) v3(90.92,47.47) v3(90.92,45.47) v3(90.92,43.47) v3(90.92,41.47) v3(90.92,39.47) v3(90.92,13.47) v3(92.92,61.47) v3(92.92,57.47) v3(92.92,53.47) v3(92.92,49.47) v3(92.92,47.47) v3(92.92,45.47) v3(92.92,43.47) v3(92.92,41.47) v3(92.92,39.47) v3(92.92,27.47) v3(92.92,13.47) v3(94.92,87.47) v3(94.92,83.47) v3(94.92,75.47) v3(94.92,71.47) v3(94.92,59.47) v3(94.92,55.47) v3(94.92,51.47) v3(94.92,47.47) v3(94.92,17.47) v3(94.92,13.47) v3(94.92,5.47) v3(94.92,1.47) v3(96.53,34.27) v3(96.92,85.47) v3(96.92,73.47) v3(96.92,69.47) v3(96.92,57.47) v3(96.92,53.47) v3(96.92,49.47) v3(96.92,29.47) v3(96.92,27.47) v3(96.92,23.47) v3(96.92,17.47) v3(96.92,13.47) v3(96.92,11.47) v3(96.92,9.47) v3(96.92,5.47) v3(96.92,3.47) v3(98.92,87.47) v3(98.92,83.47) v3(98.92,79.47) v3(98.92,75.47) v3(98.92,71.47) v3(98.92,67.47) v3(98.92,63.47) v3(98.92,59.47) v3(98.92,55.47) v3(98.92,51.47) v3(98.92,47.47) v3(98.92,17.47) v3(98.92,13.47) v3(98.92,5.47) v3(98.92,3.47) v3(99.75,36.25) v3(99.75,35.35) v3(99.75,34.5) v3(100.5,36.25) v3(100.5,35.35) v3(100.5,34.5) v3(100.92,85.47) v3(100.92,81.47) v3(100.92,73.47) v3(100.92,69.47) v3(100.92,49.47) v3(100.92,17.47) v3(100.92,9.47) v3(100.92,7.47) v3(100.92,5.47) v3(100.92,3.47) v3(101.5,35.35) v3(102.5,35.35) v3(102.92,87.47) v3(102.92,83.47) v3(102.92,67.47) v3(102.92,47.47) v3(102.92,27.47) v3(102.92,11.47) v3(104,35.35) v3(104.92,85.47) v3(104.92,81.47) v3(104.92,77.47) v3(104.92,69.47) v3(104.92,49.47) v3(104.92,27.47) v3(104.92,11.47) v3(104.92,1.47) v3(105,35.35) v3(106.92,87.47) v3(106.92,83.47) v3(106.92,79.47) v3(106.92,67.47) v3(106.92,43.47) v3(106.92,23.47) v3(106.92,21.47) v3(106.92,19.47) v3(106.92,1.47) v3(108.92,85.47) v3(108.92,81.47) v3(108.92,77.47) v3(108.92,45.47) v3(108.92,41.47) v3(108.92,5.47) v3(108.92,3.47) v3(108.92,1.47) v3(110.92,87.47) v3(110.92,83.47) v3(110.92,79.47) v3(110.92,67.47) v3(110.92,43.47) v3(110.92,19.47) v3(110.92,5.47) v3(110.92,3.47) v3(110.92,1.47) v3(112.92,85.47) v3(112.92,81.47) v3(112.92,77.47) v3(112.92,69.47) v3(112.92,45.47) v3(112.92,41.47) v3(112.92,37.47) v3(112.92,33.47) v3(112.92,29.47) v3(112.92,1.47) v3(114.92,87.47) v3(114.92,83.47) v3(114.92,67.47) v3(114.92,55.47) v3(114.92,27.47) v3(114.92,11.47) v3(114.92,1.47) v3(116.92,85.47) v3(116.92,81.47) v3(116.92,77.47) v3(116.92,73.47) v3(116.92,69.47) v3(116.92,63.47) v3(116.92,59.47) v3(116.92,25.47) v3(116.92,1.47) v3(118.92,87.47) v3(118.92,83.47) v3(118.92,79.47) v3(118.92,75.47) v3(118.92,71.47) v3(118.92,67.47) v3(118.92,61.47) v3(118.92,57.47) v3(118.92,53.47) v3(118.92,27.47) v3(118.92,23.47) v3(118.92,7.47) v3(118.92,5.47) v3(118.92,1.47) v3(120.92,73.47) v3(120.92,69.47) v3(120.92,25.47) v3(120.92,7.47) v3(120.92,1.47) v3(122.92,71.47) v3(122.92,67.47) v3(122.92,63.47) v3(122.92,59.47) v3(122.92,51.47) v3(122.92,47.47) v3(122.92,43.47) v3(122.92,39.47) v3(122.92,35.47) v3(122.92,31.47) v3(122.92,27.47) v3(122.92,23.47) v3(122.92,19.47) v3(124.92,73.47) v3(124.92,69.47) v3(124.92,61.47) v3(124.92,49.47) v3(124.92,45.47) v3(124.92,41.47) v3(124.92,37.47) v3(124.92,33.47) v3(124.92,25.47) v3(124.92,21.47) v3(126.92,79.47) v3(126.92,75.47) v3(126.92,71.47) v3(126.92,67.47) v3(126.92,63.47) v3(126.92,59.47) v3(126.92,55.47) v3(126.92,51.47) v3(126.92,47.47) v3(126.92,43.47) v3(126.92,39.47) v3(126.92,35.47) v3(126.92,31.47) v3(126.92,27.47) v3(126.92,23.47) v3(126.92,19.47) v3(126.92,9.47)
